# KiCad board dilemma.kicad_pcb (continued)
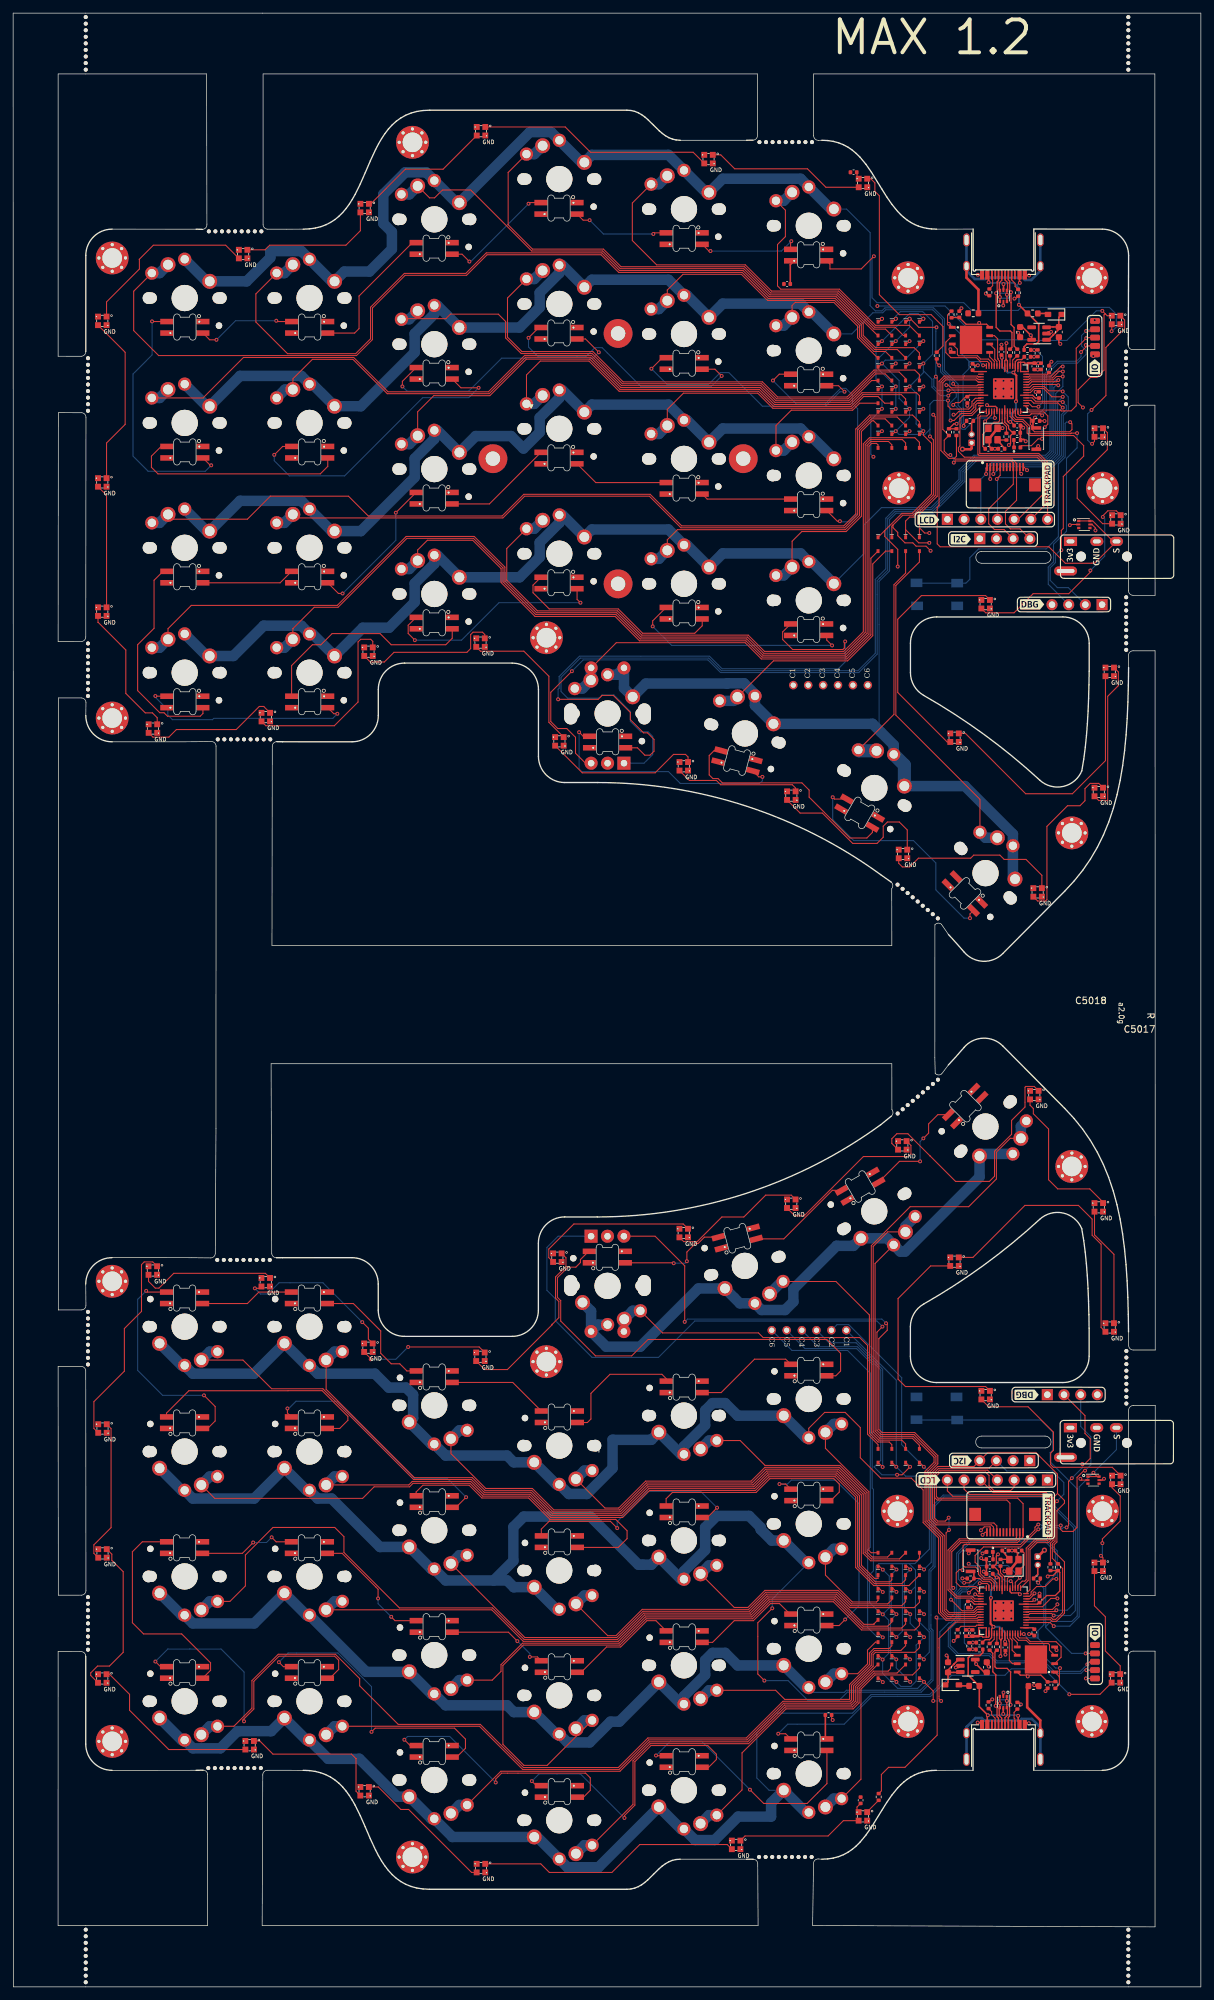
[diagram p0: board, top side]
## Routing (per net, layer and track width the routed paths; a pad name or vN(x,y) marks a point on that pad's centre or on a via; arc(x,y) is an arc through that point) (continued)
GND_L: length 31.2
  Top w0.16: v1(158.82,51.24) 158.53,51.53 U5004.4 ; v1(155.41,45.91) 155.55,45.77 FB5001.1 ; C5018.2 124.59,40.76 v1(124.75,40.6) ; R5012.2 143.77,53.24 v1(143.16,52.63) ; J5007.11 148.73,69.95 148.68,69.99 147.83,69.99 147.32,69.48 v1(147.32,69.47) ; v1(153.39,42.97) 153.07,43.29 R5004.2 ; v1(162.45,77.3) 162.65,77.1 163.53,77.1 ; C5010.2 157.46,45.32 v1(157.14,45) ; R5010.1 146.06,52.35 v1(146.09,52.38) ; 148.86,43.74 R5005.2
  Top w0.2: v1(153.24,59.73) 153.04,59.93 151.94,59.93 151.74,60.14 U5002.19
  Top w0.25: C5005.2 152.56,66.34 152.89,66.01 152.89,65.16 Y5001.2 ; v1(154.64,53.68) 155.14,53.68 155.42,53.45 C5012.2 ; v1(151.04,50.55) 151.04,50.55 C5006.2 ; 153.97,40.18 154.53,40.18 v1(154.61,40.11) ; v1(148.5,48.73) 148.2,49.03 C5002.2 ; 148.16,62.75 148.16,63.84 148.18,63.86 148.16,63.88 148.16,64.93 148.13,64.96 147.63,64.96 v1(147.35,65.24) ; C5003.2 145.52,54.31 v1(145.54,54.33) 145.56,54.31 C5011.2 ; v1(142.08,50.42) 142.3,50.2 C5001.2 ; U5001.2 143.93,48.6 v1(143.49,48.6) ; 156.24,59.51 156.24,59.98 ; v1(145.45,65.96) 145.74,66.24 SW5001.1 ; v1(146.82,40.21) 146.84,40.18 147.47,40.18 ; U5003.2 150.72,44.75
  Top w0.4: Y5001.2 Y5001.4 151.61,63.23 v1(150.89,63.23) ; v1(147.73,63.18) 147.73,63.17 148.16,62.75 ; v2(156.98,66.44) 156.96,66.44 J5002.1 ; v1(152.04,66.38) C5008.2 C5005.2 v1(152.04,66.38)
  vias: v1(145.84,57.73) v1(149.04,43.74) v1(149.54,58.43) v1(149.54,57.23) v1(149.54,56.03) v1(150.74,58.43) v1(150.74,57.23) v1(150.74,56.03) v1(150.75,44.78) v1(151.94,58.43) v1(151.94,57.23) v1(151.94,56.03) v1(156.24,59.83)
VBUS: length 21.4
  Top w0.25: U4.5 150.75,258.21 v1(150.75,259.07) ; v1(153.1,255.92) 153.1,255.91 F1.1 154.47,254.61 156.11,252.97 156.11,250.35 155.73,249.97 154.31,249.97 153.88,249.54 R10.2 ; 153.18,260.42 153.18,259.32 v1(153.24,259.26) ; 148.28,260.42 148.48,260.22 v1(148.48,259.37)
  Bottom w0.25: v1(150.75,259.07) 150.67,259.15 150.67,259.25 ; 152.74,258.84 153.1,258.47 v1(153.1,255.92) ; 152.74,258.84 152.32,259.25 150.67,259.25 ; 152.74,258.84 153.16,259.26 v1(153.24,259.26) ; 150.67,259.25 148.59,259.25
VBUS_L: length 21.2
  Top w0.25: v1(150.71,41.53) 150.71,42.39 U5003.5 ; v1(148.37,41.33) 148.27,41.23 148.27,40.18 ; v1(148.37,41.33) 148.33,41.33 ; v1(148.37,41.33) 148.37,41.34 147.07,42.64 147.07,45.77 F5001.1 147.01,45.79 145.37,47.43 145.37,50.05 145.75,50.43 147.17,50.43 147.6,50.86 R5009.2 ; v1(152.98,41.24) 152.98,40.38 153.17,40.18
  Bottom w0.25: 150.79,41.35 150.79,41.45 v1(150.71,41.53) ; 150.79,41.35 148.39,41.35 v1(148.37,41.33) ; 150.79,41.35 152.86,41.35 v1(152.98,41.24)
/D+: length 19.4
  Top w0.2: 149.98,260.42 149.98,259.61 149.79,259.41 149.79,257.85 v1(149.63,257.69) 149.63,252.5 150.19,251.94 151.8,251.94 152.04,251.7 152.04,249.47 R6.1 ; U4.3 v1(151.27,257.46) U4.4 151.36,258.21 151.36,259.32 150.98,259.7 150.98,260.42
  Bottom w0.2: v1(151.27,257.46) 151.04,257.69 v1(149.63,257.69)
/D+_L: length 19.2
  Top w0.2: 150.47,40.18 150.47,40.9 150.09,41.28 150.09,42.39 U5003.4 v1(150.18,43.15) U5003.3 ; R5006.1 149.44,50.93 149.44,48.7 149.68,48.46 151.29,48.46 151.84,47.91 151.83,47.89 v1(151.83,42.91) 151.67,42.75 151.67,41.19 151.47,40.99 151.47,40.18
  Bottom w0.2: v1(151.83,42.91) 150.42,42.91 v1(150.18,43.15)
/D-: length 18.4
  Top w0.2: 150.48,260.42 150.48,259.65 150.11,259.28 150.11,258.21 U4.6 v1(150.2,257.1) U4.1 ; 151.48,260.42 151.48,259.72 151.69,259.51 151.69,258.04 v1(151.89,257.84) 151.89,256.27 151.9,256.26 151.9,252.92 152.36,252.46 152.36,249.66 R7.1
  Bottom w0.2: v1(151.89,257.84) 151.89,257.33 151.49,256.92 150.37,256.92 v1(150.2,257.1)
/D-_L: length 18.2
  Top w0.2: 150.97,40.18 150.97,40.95 151.34,41.32 151.34,42.39 U5003.6 v1(151.26,43.51) U5003.1 ; 149.97,40.18 149.97,40.88 149.77,41.09 149.77,42.56 v1(149.57,42.76) 149.57,47.47 149.58,47.48 149.12,47.94 149.12,50.74 R5007.1
  Bottom w0.2: v1(151.26,43.51) 151.08,43.68 149.97,43.68 149.57,43.27 v1(149.57,42.76)
/LED: length 12.1
  Top w0.16: 153.33,234.32 153.5,234.49 154.99,234.49 156.02,235.52 v1(156.62,235.52) ; U1.28 153.44,239.63 156.89,239.63 157.5,239.02 157.5,237.77 v1(157.03,237.3)
  Bottom w0.16: v1(156.62,235.52) 156.62,236.89 v1(157.03,237.3)
/LED_L: length 14.4
  Top w0.16: U5002.28 146.78,60.67 146.55,60.9 144.15,60.9 143.55,61.5 143.55,63 144.05,63.5 144.42,63.5 v1(144.51,63.41) ; v1(147.56,65.93) 147.8,66.18 D5001.2
  Bottom w0.16: v1(147.56,65.93) 146.98,66.52 145.04,66.52 144.51,65.99 v1(144.51,63.41)
/MISO: length 28.5
  Top w0.16: 154.18,241.36 154.95,241.36 155.36,240.96 159.06,240.96 159.75,240.28 ; J113.2 148.69,231.19 148.69,229.46 v1(148.73,229.42)
  Bottom w0.16: 159.75,240.28 159.27,239.8 159.27,233.12 157.71,231.56 148.99,231.56 148.6,231.18 148.6,229.55 v1(148.73,229.42)
  vias: v1(159.77,240.28)
/MISO_L: length 23.4
  Top w0.16: U5002.31 146.36,59.03 145.96,59.44 143.66,59.44 142.59,60.51 142.59,66.33 144.13,67.87 152.73,67.87 153.23,68.38 J5007.2
/MOSI: length 36.3
  Top w0.16: J113.5 150.24,229.97 149.73,229.46 ; U1.35 154.82,242.96 155.33,243.48 156.98,243.48 157.62,242.83 159.67,242.83 v1(159.77,242.74)
  Bottom w0.16: 149.73,229.46 149.89,229.62 156.6,229.62 159.84,232.87 159.84,239.08 160.61,239.85 160.61,241.9 v1(159.77,242.74) ; v1(149.73,229.42) 149.83,229.31 J3.4
/MOSI_L: length 55.8
  Top w0.16: J5004.4 148.33,78.6 141,78.6 140.24,77.85 140.24,74.49 ; U5002.35 146.75,57.43 146.24,56.93 142.5,56.93 142.01,57.41 142.01,69.07 v1(142.46,69.52) ; 140.24,74.49 140.66,74.07 151.25,74.07 151.73,73.59 J5007.5 ; 140.24,74.49 140.24,71.36 140.73,70.86 141.88,70.86 v1(142.41,71.39)
  Bottom w0.16: v1(142.46,69.52) 142.46,71.34 v1(142.41,71.39)
/QSPI_D0: length 2.4
  Top w0.16: U2.5 148.64,248.01 149.34,247.31 U1.53
/QSPI_D0_L: length 2.4
  Top w0.16: U5002.53 152.14,53.09 152.84,52.38 U5004.5
/QSPI_D1: length 10.7
  Top w0.16: U1.55 148.54,247.05 148.28,247.31 147.22,247.31 146.66,247.88 142.74,247.88 141.97,248.65 141.97,250.24 U2.2
/QSPI_D1_L: length 10.7
  Top w0.16: U5004.2 159.51,50.16 159.51,51.75 158.74,52.52 154.83,52.52 154.26,53.08 153.2,53.08 152.94,53.35 U5002.55
/QSPI_D2: length 8.2
  Top w0.16: U2.3 143.73,249.18 143.73,248.34 143.91,248.16 146.77,248.16 147.27,247.66 148.44,247.66 148.94,247.16 U1.54
/QSPI_D2_L: length 8.2
  Top w0.16: U5002.54 152.54,53.23 153.04,52.73 154.21,52.73 154.71,52.23 157.57,52.23 157.75,52.05 157.75,51.22 U5004.3
/QSPI_D3: length 5.7
  Top w0.16: U1.51 150.14,247.37 149.91,247.6 149.91,247.76 149.85,247.82 149.85,250.74 149.37,251.22 U2.7
/QSPI_D3_L: length 5.7
  Top w0.16: U5004.7 152.11,49.17 151.63,49.65 151.63,52.58 151.57,52.64 151.57,52.8 151.34,53.03 U5002.51
/QSPI_SCLK: length 3.8
  Top w0.16: U1.52 149.74,247.32 149.42,247.64 149.42,249.18 U2.6
/QSPI_SCLK_L: length 3.8
  Top w0.16: U5002.52 151.74,53.08 152.06,52.76 152.06,51.22 U5004.6
/QSPI_~{CS}: length 25.2
  Top w0.16: 142.23,253.29 142.23,253.22 U2.1 ; 142.23,253.29 142.23,254.36 R9.1 ; 142.23,253.29 142.42,253.1 v1(142.42,253.03) ; v1(147.64,246.71) 148.14,246.71 U1.56 ; R3.2 145.13,238.19 144.68,237.73 v1(144.68,237.49)
  Bottom w0.16: 145.49,246.71 145.49,246.21 144.59,245.31 144.59,240.26 144.68,240.18 v1(144.68,237.49) ; 145.49,246.71 145.49,247.34 144.35,248.48 144.35,251.32 142.64,253.03 v1(142.42,253.03) ; 145.49,246.71 145.49,247.21 145.57,247.29 147.08,247.29 147.64,246.73 v1(147.64,246.71)
/QSPI_~{CS}_L: length 24.3
  Top w0.16: 159.25,47.11 159.25,48.4 v1(159.35,48.5) ; 159.25,47.11 159.25,46.04 R5011.1 ; 159.25,47.11 159.25,47.18 U5004.1 ; v1(156.03,61.49) 156.35,61.81 R5003.2 ; v1(153.84,53.68) 153.34,53.68 U5002.56
  Bottom w0.16: v1(159.35,48.5) 158.69,48.5 156.89,50.3 156.89,52.16 155.99,53.06 155.99,53.68 ; v1(153.84,53.68) 153.84,53.66 154.4,53.1 155.91,53.1 155.99,53.18 155.99,53.68 ; 155.99,53.68 155.99,54.18 156.89,55.08 156.89,60.63 v1(156.03,61.49)
/SCLK: length 36.4
  Top w0.16: 159.79,241.92 158.13,241.92 156.87,243.18 155.44,243.18 154.83,242.56 U1.34 ; v1(148.09,230.18) 148.09,231.09 J113.1
  Bottom w0.16: J3.3 147.29,229.38 v1(148.09,230.18) 148.09,231.07 148.9,231.88 157.62,231.88 158.98,233.24 158.98,241.13 159.77,241.92
  vias: v1(159.77,241.92)
/SCLK_L: length 62.1
  Top w0.16: v1(142.76,58.91) 144.45,57.22 146.12,57.22 146.74,57.83 U5002.34 ; J5004.3 152.36,76.04 151.83,75.5 149.3,75.5 148.55,76.25 148.55,77.8 148.03,78.32 141.11,78.32 140.53,77.73 140.53,74.6 140.78,74.35 152.89,74.35 153.73,73.52 J5007.1 153.73,68.47 152.84,67.59 144.25,67.59 142.87,66.21 142.87,60.94 v1(143.11,60.7)
  Bottom w0.16: v1(143.11,60.7) 142.76,60.34 v1(142.76,58.91)
/SWCLK: length 44
  Top w0.16: U1.24 151.74,238.94 152.51,238.17 153.61,238.17 154.34,237.43 154.34,236.42 154.73,236.03 161.42,236.03 162.95,234.5 162.95,232.9 159.85,229.8 159.85,221.9 159.55,221.6 v1(159.55,218.6)
  Bottom w0.16: v1(159.55,218.6) 159.41,218.6 158.65,217.84 158.65,216.7 157.85,215.9 157.85,214 158.95,212.9 160.61,212.9 J105.3
/SWCLK_L: length 46.8
  Top w0.16: U5002.24 149.74,61.46 148.97,62.23 147.87,62.23 147.23,62.88 147.23,63.8 146.43,64.6 146.43,65.64 147.73,66.94 153.37,66.94 v1(156.05,69.62) ; v1(160.35,69.9) 160.65,70.2 160.65,76.9 v1(161.15,77.4) ; v1(162.75,79.56) 162.65,79.46 162.65,79.34 162.89,79.34 163.95,80.4 163.95,83.4 163.15,84.2 163.15,86.91 J5005.3
  Bottom w0.16: v1(161.15,77.4) 162.75,79 v1(162.75,79.56) ; v1(160.35,69.9) 159.87,69.9 159.66,69.69 159.24,69.69 159.03,69.9 157.91,69.9 157.87,69.86 156.6,69.86 156.42,69.68 156.11,69.68 v1(156.05,69.62)
/SWD: length 41.5
  Top w0.16: v1(161.95,236.4) 161.05,236.4 161.05,236.4 160.96,236.32 154.85,236.32 154.75,236.42 154.75,237.44 153.73,238.46 152.63,238.46 152.14,238.94 U1.25
  Bottom w0.16: v1(161.95,236.4) 161.95,234.16 160.34,232.55 160.34,221.47 158.36,219.49 158.36,216.82 157.56,216.02 157.56,213.41 J105.2
/SWD_L: length 51.8
  Top w0.16: v1(163.16,78.54) 162.97,78.54 161.94,77.51 161.94,69.9 161.34,69.3 159.75,69.3 159.45,69.6 v1(159.45,70.2) ; U5002.25 149.34,61.46 148.85,61.94 147.75,61.94 147.14,62.55 146.94,62.76 146.94,63.45 146.52,63.87 144.88,63.87 144.59,64.16 144.59,67.11 144.78,67.3 153.32,67.3 155.54,69.52 155.54,69.93 155.95,70.34 v1(156.05,70.34)
  Bottom w0.16: v1(159.45,70.2) 157.8,70.2 157.75,70.15 156.61,70.15 156.41,70.34 v1(156.05,70.34) ; J5005.2 162.5,85.25 164.05,83.7 164.05,79.44 v1(163.16,78.54)
/~{RESET_L}: length 107.6
  Top w0.16: U5002.26 148.94,61.35 148.64,61.66 147.59,61.66 147.12,62.13 R5002.1 145.59,61.48 v1(144.76,61.48) ; J5008.4 v1(163.25,50.73)
  Top w0.25: R5002.1 146.25,63.17 146.21,63.21 SW5001.2
  Bottom w0.16: J5008.4 v1(163.25,50.73) 161.12,50.73 157.17,54.68 157.17,54.82 ; 157.17,54.82 157.94,55.59 161.14,55.59 161.98,56.43 161.98,75.74 157.84,79.88 157.84,81.27 158.23,81.66 158.23,84.43 156.41,86.25 SW5021.1 137.55,86.25 SW5021.1 ; 157.17,54.82 157.17,61.22 158.65,62.7 158.65,66.2 157.13,67.72 145.78,67.72 143.9,65.85 143.9,62.02 144.45,61.48 v1(144.76,61.48)
/~{RESET}: length 79.2
  Top w0.16: v1(162.55,248.74) 163.28,249.47 v1(163.28,249.8) 163.41,249.66 J4.4 ; v1(160.9,238.07) 161.17,237.8 161.17,236.93 160.84,236.6 155.47,236.6 155.04,237.04 155.04,237.55 154.83,237.76 154.83,238.67 154.79,238.71 ; 154.79,238.71 154.76,238.74 152.85,238.74 152.54,239.04 U1.26 ; 154.79,238.71 R2.1 155.54,238.57 v1(155.54,238.76)
  Top w0.25: SW1.2 155.27,237.19 155.23,237.22 R2.1
  Bottom w0.16: v1(160.9,238.07) 160.32,238.07 160.13,237.88 160.13,232.75 159.1,231.72 159.1,220.64 157.24,218.78 146.96,218.78 145.63,217.45 145.63,214.18 145.03,213.57 SW5022.1 137.55,213.57 SW5022.1 ; v1(163.28,249.8) 163.43,249.65 J5010.4 ; v1(162.55,248.74) 162.55,248.02 161.86,247.33 158.93,247.33 156.98,245.38 156.98,240.2 v1(155.54,238.76)
ENC_PIN1: length 135.9
  Top w0.16: 159.18,243.68 159.06,243.8 155.16,243.8 154.72,243.36 154.18,243.36 ; SW3002.B 87.12,186.18 85.6,187.7 85.6,190.12 84.28,191.45 82.91,191.45 81.84,192.52 81.84,196.96 v1(85.05,200.17)
  Bottom w0.16: 159.18,243.68 158.74,243.68 158.41,243.35 158.41,233.48 157.38,232.45 146.46,232.45 144.57,230.56 144.57,229.15 139.92,224.5 134.27,224.5 133.12,223.34 133.12,215.56 131.93,214.37 131.92,214.37 131.52,213.96 131.52,202.77 128.72,199.97 107.68,199.97 105.76,201.89 86.76,201.89 v1(85.05,200.17)
  vias: v1(159.09,243.68)
ENC_PIN1_L: length 109.2
  Top w0.16: v1(102.22,101.17) 102.22,109.7 97.72,114.21 SW5020.B ; v1(132.87,100.96) 133.05,100.78 133.05,99.9 131.77,98.62 131.77,84.81 132.25,84.33 137.23,84.33 140.75,80.82 140.75,79.57 139.38,78.2 139.38,71 141.73,68.65 141.73,57.27 142.36,56.64 146.36,56.64 146.75,57.03 U5002.36
  Bottom w0.16: v1(102.22,101.17) 102.65,101.6 132.23,101.6 v1(132.87,100.96)
ENC_PIN2: length 147.1
  Top w0.16: v1(159.09,244.47) 158.84,244.22 155.05,244.22 154.6,243.76 154.18,243.76
  Bottom w0.16: SW3002.A 96.03,186.18 97.35,187.5 97.35,190.25 96.65,190.95 95.55,190.95 93.95,192.55 93.95,194.05 91.45,196.55 89.65,196.55 89.18,196.07 84.4,196.07 83.4,197.07 83.4,199.24 86.33,202.17 105.88,202.17 107.79,200.26 128.6,200.26 131.23,202.89 131.23,214.15 132.83,215.75 132.83,223.46 134.15,224.78 139.8,224.78 144.26,229.24 144.26,230.65 146.36,232.75 157.28,232.75 158.12,233.59 158.12,243.9 158.69,244.47 v1(159.09,244.47)
ENC_PIN2_L: length 132
  Top w0.16: U5002.37 146.76,56.63 146.48,56.36 142.24,56.36 141.44,57.16 141.44,68.54 139.09,70.88 139.09,78.32 140.46,79.69 140.46,80.7 137.11,84.05 132.13,84.05 131.49,84.69 131.49,99.61 v1(132.32,100.45)
  Bottom w0.16: v1(132.32,100.45) 131.46,101.31 103.76,101.31 98.22,95.77 88.12,95.77 82.53,101.38 82.53,104.7 81.25,105.97 81.25,112.5 82.96,114.21 SW5020.A
encoder_diode: length 64.8
  Top w0.16: SW3002.S1 91.81,204.51 111.42,204.51 113.89,202.04 126.89,202.04 130.56,205.7 130.56,217.36 D5082.2
  Bottom w1.6: SW3001.2 86.67,197.54 SW3001.2 87.95,200.65 SW3002.S1
encoder_diode_L: length 58
  Top w0.16: SW5013.2 98.84,99.5 113.45,99.5 114.16,98.79 128.86,98.79 130.05,97.6 130.05,84.1 131.65,82.5 D5088.2
  Bottom w1.6: SW5013.2 94.3,102.86 SW5013.2 92.97,101.53 SW5020.S1
HAND: length 3.6
  Top w0.16: R101.1 157.44,245.36 154.18,245.36
HAND_L: length 3.8
  Top w0.16: R5012.1 144.28,54.85 146.5,54.85 146.68,55.03 U5002.41
IO16: length 25.2
  Top w0.16: U1.27 152.94,239.33 153.19,239.08 154.72,239.08 154.98,239.34 156.39,239.34 v1(156.63,239.1) ; v1(163.33,251.94) 164.42,251.94 J4.2
  Bottom w0.16: v1(156.63,239.1) 157.26,239.73 157.26,245.26 159.05,247.04 161.98,247.04 163.33,248.39 163.33,248.96 162.64,249.65 162.64,251.25 v1(163.33,251.94) 163.58,252.19 J5010.2
IO16_L: length 40.1
  Top w0.16: v1(163.36,48.19) J5008.2 ; U5002.27 148.54,61.11 148.28,61.37 147.17,61.37 v1(147.13,61.41)
  Bottom w0.16: J5008.2 164.67,48.19 v1(163.36,48.19) 163.04,48.19 162.56,47.71 158.34,47.71 156.75,49.3 149.65,49.3 148.55,50.4 143.75,50.4 142.35,51.8 142.35,54.61 143.84,56.1 143.84,59.87 144.35,60.39 145.2,60.39 145.64,60.83 146.55,60.83 v1(147.13,61.41)
IO18: length 22.1
  Top w0.16: J4.3 163.43,250.94 v1(163.34,250.84) 161.82,249.32 161.82,240.56 161.05,239.79 159.97,239.79 159.96,239.77 159.54,239.77 159.4,239.91 154.67,239.91 154.18,240.4 U1.29
  Bottom w0.16: J5010.3 163.42,250.92 v1(163.34,250.84)
IO18_L: length 38
  Top w0.16: v1(163.5,49.05) 163.91,49.46 J5008.3 ; U5002.29 147.22,59.83 146.85,60.2 146.84,60.2 146.43,60.61 146.13,60.61 v1(145.47,59.96)
  Bottom w0.16: J5008.3 163.91,49.46 v1(163.5,49.05) 162.44,47.99 158.46,47.99 156.87,49.59 149.77,49.59 148.67,50.69 143.87,50.69 142.64,51.92 142.64,54.49 144.12,55.98 144.12,59.76 144.47,60.1 145.34,60.1 v1(145.47,59.96)
M_COL1: length 110.8
  Top w0.16: 138.1,249.95 v1(138.55,250.4) ; 147.31,241.76 147.24,241.7 146.45,241.7 145.95,241.2 145.95,240.55 145.45,240.06 142.75,240.06 142.3,240.5 v1(142.3,241.37) ; v1(139.55,235.9) 140.08,235.37 140.08,227.02 136.97,223.91 135.42,223.91 133.93,222.42 ; 133.93,222.42 133.93,222.02 134.65,221.3 134.65,220.81 135.75,219.7 136.95,219.7 137.45,219.2 138.95,219.2 v1(139.65,218.5) ; 133.93,222.42 133.75,222.24 D5070.1 ; 136,239.65 v1(136.45,240.1) ; 133.9,236.25 v1(134.35,236.7) ; 131.8,246.55 v1(132.25,247)
  In2.Cu w0.16: J5006.1 121.08,195.72 131.2,195.72 133.45,197.98 133.45,212.7 139.25,218.5 v1(139.65,218.5)
  Bottom w0.16: v1(142.3,241.37) 140.12,241.37 139.55,240.8 139.55,236.98 ; 139.55,236.98 138.76,236.19 134.86,236.19 v1(134.35,236.7) 136.45,238.8 v1(136.45,240.1) 134.86,241.69 134.86,244.39 v1(132.25,247) 132.76,247.51 135.66,247.51 v1(138.55,250.4) ; 139.55,236.98 v1(139.55,235.9)
M_COL1_L: length 112.4
  Top w0.16: 131.82,60.62 v1(132.38,60.07) ; 136,60.65 v1(136.55,60.1) ; 133.9,53.75 v1(134.45,53.2) ; 138.07,50.38 v1(138.62,49.82) ; U5002.11 155.18,58.63 v1(155.45,58.9) ; 133.88,79.67 v1(134.43,79.12)
  In2.Cu w0.16: v1(138.62,49.82) 140.1,51.3 142.65,51.3 143.1,50.85 150.11,50.85 151.36,52.1 154.95,52.1 155.45,52.6 v1(155.45,58.9)
  Bottom w0.16: 136.37,64.4 137.35,63.42 137.35,61.2 ; 136.37,64.4 137.26,64.4 139.46,66.6 139.46,76.19 137.95,77.7 135.85,77.7 v1(134.43,79.12) 134.43,92.29 J5016.1 ; 136.37,64.4 135.35,64.4 ; 135.35,64.4 135.36,64.39 135.36,54.11 v1(134.45,53.2) ; 135.35,64.4 131.75,64.4 131.35,64 131.35,61.1 v1(132.38,60.07) ; 137.35,61.2 137.35,56.1 139.45,54 139.45,50.9 138.62,50.07 v1(138.62,49.82) ; 137.35,61.2 137.35,60.9 v1(136.55,60.1)
M_COL2: length 106.1
  Top w0.16: v1(143.15,239.2) 143.45,239.2 143.95,239.7 145.65,239.7 146.24,240.29 146.24,240.89 146.72,241.36 147.31,241.36 ; D5074.1 135.85,221.7 ; 135.85,221.7 137.85,219.7 v1(139.45,219.7) ; 135.85,221.7 135.85,223.03 136.45,223.63 137.09,223.63 140.36,226.9 140.36,238.89 v1(140.06,239.2) ; 138.1,243.05 v1(138.55,243.5) ; D5092.1 131.8,253.35 ; 131.8,253.35 v1(132.25,253.8) 131.8,253.35 ; 131.8,236.25 v1(132.25,236.7) ; 136,246.55 v1(136.45,247)
  In2.Cu w0.16: 139.65,238.8 139.65,242.4 v1(138.55,243.5) 136.45,245.6 v1(136.45,247) 137.65,248.2 137.65,250.4 134.76,253.29 132.76,253.29 v1(132.25,253.8) ; 139.65,238.8 139.65,237.08 138.47,235.9 133.05,235.9 v1(132.25,236.7) ; 139.65,238.8 140.05,239.2 v1(143.15,239.2) ; v1(139.45,219.7) 139.45,219.5 133.15,213.2 133.15,198.09 131.08,196.01 123.06,196.01 J5011.1
M_COL2_L: length 92.4
  Top w0.16: 138.1,57.25 v1(138.65,56.7) ; 131.82,46.92 v1(132.38,46.38) ; 138.07,79.67 v1(138.62,79.12) ; U5002.12 154.72,59.03 155.24,59.55 155.24,59.64 v1(155.46,59.87) ; 136,53.75 v1(136.55,53.2) ; 138.1,64.05 v1(138.65,63.5)
  In2.Cu w0.16: v1(155.46,59.87) 154.97,59.87 154.34,60.49 154.34,62.11 152.15,64.3 146.34,64.3 145.73,64.91 139.46,64.91 138.65,64.1 v1(138.65,63.5) 139.16,62.99 139.16,57.21 v1(138.65,56.7) 138.65,55.3 v1(136.55,53.2) 132.38,49.02 v1(132.38,46.38)
  Bottom w0.16: v1(138.65,63.5) 139.75,64.6 139.75,78 v1(138.62,79.12) 135.25,82.5 135.25,92.68 127.18,100.76 125.41,100.76 J5017.1
M_COL3: length 97.4
  Top w0.16: 138.1,236.25 v1(138.55,236.7) 138.55,236.1 139.79,234.86 139.79,227.14 136.85,224.2 135.3,224.2 132.68,221.57 ; 133.9,253.35 v1(134.35,253.8) 133.9,253.35 ; 133.9,253.35 D5093.1 ; 132.68,221.57 132.68,220.68 134.65,218.71 v1(134.65,216.1) ; 132.68,221.57 D5082.1 ; 138.1,246.55 v1(138.55,247) ; v1(142.35,242.1) 142.81,242.56 U1.9 ; 136,243.05 v1(136.45,243.5)
  In2.Cu w0.16: J5012.1 125.04,196.3 130.96,196.3 132.65,197.99 132.65,214.1 v1(134.65,216.1)
  Bottom w0.16: v1(134.35,253.8) 134.35,254.18 135.05,254.88 138.46,254.88 139.95,253.39 139.95,248.4 v1(138.55,247) 138.55,245.9 ; 138.55,245.9 139.85,244.6 139.85,243.4 141.15,242.1 v1(142.35,242.1) ; 138.55,245.9 138.55,245.6 v1(136.45,243.5) 137.45,242.5 137.45,237.8 v1(138.55,236.7)
M_COL3_L: length 113.7
  Top w0.16: 138.1,53.75 v1(138.65,53.2) ; 133.9,46.95 v1(134.45,46.4) ; 136,64.05 v1(136.55,63.5) ; v1(158.95,59.1) 157.95,59.1 156.68,57.83 U5002.9 ; 136,57.25 v1(136.55,56.7) ; 131.8,79.65 v1(132.35,79.1)
  In2.Cu w0.16: v1(138.65,53.2) 139.15,52.7 139.15,51.8 138.12,50.77 138.12,49.61 138.63,49.1 140.35,49.1 141.05,49.8 153.06,49.8 156.35,53.09 156.35,56.5 v1(158.95,59.1) ; v1(132.35,79.1) 131.9,78.65 131.9,75.45 130.45,74 130.45,64.6 132.95,62.1 135.15,62.1 v1(136.55,63.5)
  Bottom w0.16: v1(134.45,46.4) 135.15,45.7 136.65,45.7 137.45,46.5 137.45,52 v1(138.65,53.2) 136.55,55.3 v1(136.55,56.7) 135.65,57.6 135.65,62.6 v1(136.55,63.5) ; v1(132.35,79.1) 132.35,93.96 128.31,98 124.18,98 J5018.1
M_COL4: length 103.3
  Top w0.16: D5094.1 136,253.35 ; 136,253.35 v1(136.45,253.8) ; 136,253.35 v1(136.45,253.8) ; v1(136.45,253.8) 136.56,253.8 137.86,252.5 v1(140.55,252.5) ; v1(142.35,242.9) 142.41,242.96 U1.8 ; 137.95,222 138.75,221.2 v1(139.45,221.2) ; 137.95,222 D5015.1 ; 137.95,222 137.95,224.08 140.65,226.78 140.65,244.8 v1(140.45,245) ; 133.9,243.05 v1(134.35,243.5) ; 133.9,249.95 v1(134.35,250.4) ; 133.9,239.65 v1(134.35,240.1)
  In2.Cu w0.16: v1(139.45,221.2) 138.85,221.2 132.15,214.5 132.15,197.9 130.85,196.6 127.01,196.6 J5013.1
  Bottom w0.16: v1(136.45,253.8) 136.45,252.5 v1(134.35,250.4) 131.64,247.69 131.64,246.2 134.34,243.5 v1(134.35,243.5) v1(134.35,240.1) ; v1(140.55,252.5) 140.45,252.4 v1(140.45,245) 140.14,244.69 140.14,243.52 140.76,242.9 v1(142.35,242.9)
M_COL4_L: length 112.5
  Top w0.16: 133.9,64.05 v1(134.45,63.5) ; 133.88,50.38 v1(134.43,49.82) ; 135.97,79.67 v1(136.53,79.12) 135.31,77.91 v1(134.55,77.91) ; 133.9,57.25 v1(134.45,56.7) ; U5002.8 158.21,57.43 158.98,58.2 v1(158.95,58.2) ; 136,46.95 v1(136.55,46.4)
  In2.Cu w0.16: v1(158.95,58.2) 159.46,58.71 159.46,59.31 154.07,64.7 146.35,64.7 145.85,65.2 138.75,65.2 138.25,64.7 135.65,64.7 v1(134.45,63.5) 138.85,67.9 138.85,76.8 v1(136.53,79.12)
  Bottom w0.16: J5019.1 122.55,97.4 128.51,97.4 132.06,93.84 132.06,80.11 131.05,79.1 132.24,77.91 v1(134.55,77.91) ; v1(136.55,46.4) 134.43,48.52 v1(134.43,49.82) 133.55,50.7 133.55,55.8 v1(134.45,56.7) 133.65,57.5 133.65,62.7 v1(134.45,63.5)
M_COL5: length 98.5
  Top w0.16: 131.8,243.05 v1(132.25,243.5) ; 131.8,249.95 v1(132.25,250.4) ; 138.1,253.35 v1(138.55,253.8) 138.1,253.35 ; 138.1,253.35 D5095.1 ; 131.8,239.65 v1(132.25,240.1) ; 159.78,246.54 159.48,246.54 158.02,245.08 154.7,245.08 154.58,244.96 U1.40
  In2.Cu w0.16: v1(159.77,246.54) 159.77,247.08 157.05,249.8 153.05,249.8 152.15,248.9 145.45,248.9 140.55,253.8 v1(138.55,253.8) ; J5014.1 127.83,199.22 129.81,201.2 129.81,231.66 v1(130.95,232.8)
  Bottom w0.16: v1(138.55,253.8) 137.75,254.6 136.45,254.6 135.2,253.35 135.2,253.35 v1(132.25,250.4) 131.35,249.5 131.35,244.4 v1(132.25,243.5) v1(132.25,240.1) 130.55,238.4 130.55,233.2 v1(130.95,232.8)
M_COL5_L: length 104.5
  Top w0.16: U5002.40 146.89,55.43 146.83,55.49 143.44,55.49 140.94,52.99 140.94,43.81 v1(141.25,43.5) ; v1(132.35,49.8) 131.8,50.35 D5012.1 ; v1(140.05,43.5) 140.05,45 v1(138.65,46.4) 138.1,46.95 ; 131.82,57.22 v1(132.38,56.67) ; 131.82,64.02 v1(132.38,63.47)
  Bottom w0.16: v1(141.25,43.5) v1(140.05,43.5) ; v1(132.38,63.47) 133.36,62.49 133.36,57.66 v1(132.38,56.67) ; v1(138.65,46.4) 137.66,45.41 134.64,45.41 132.35,47.7 v1(132.35,49.8) 133.26,50.71 133.26,55.79 v1(132.38,56.67) ; v1(132.38,56.67) 132.18,56.67 130.35,58.5 130.35,62.7 130.95,63.3 130.95,75.7 130.76,75.89 130.76,94.74 128.39,97.11 120.53,97.11 J5020.1
M_COL6: length 86.7
  Top w0.16: v1(147.95,238.19) 148.94,239.19 U1.17 ; 138.1,239.65 v1(138.55,240.1) ; 133.9,246.55 v1(134.35,247) ; 136,236.25 v1(136.45,236.7) ; 136,249.95 v1(136.45,250.4)
  In2.Cu w0.16: 134.75,235.39 139.76,235.39 141.35,236.98 146.74,236.98 v1(147.95,238.19) ; 134.75,235.39 134.54,235.39 130.1,230.95 J5015.1 ; 134.75,235.39 132.16,235.39 131.35,236.2 131.35,237.3 131.75,237.7 137.45,237.7 137.6,237.85 ; 137.6,237.85 138.55,238.8 v1(138.55,240.1) 135.25,243.4 135.25,246.1 v1(134.35,247) 136.45,249.1 v1(136.45,250.4) ; 137.6,237.85 v1(136.45,236.7)
M_COL6_L: length 122.1
  Top w0.16: v1(153.25,62.26) 152.54,61.54 U5002.17 ; 133.9,60.65 v1(134.45,60.1) ; 138.1,60.65 v1(138.65,60.1) ; 135.97,50.38 v1(136.53,49.82) ; 131.82,53.72 v1(132.38,53.17)
  In2.Cu w0.16: v1(138.65,60.1) 138.14,59.59 136.85,59.59 ; 136.85,59.59 136.84,59.59 136.05,58.8 136.05,56.85 v1(132.38,53.17) 131.84,52.64 131.84,45.91 132.45,45.3 134.07,45.3 136.53,47.76 v1(136.53,49.82) 136.53,52.17 137.35,53 137.35,53.59 140.05,56.29 140.05,62.9 141.52,64.37 v1(145.45,64.37) ; 136.85,59.59 134.96,59.59 v1(134.45,60.1)
  Bottom w0.16: v1(145.45,64.37) 145.72,64.1 151.41,64.1 v1(153.25,62.26) ; v1(132.38,53.17) 131.57,53.17 130.06,54.69 130.06,66.49 130.47,66.9 130.47,93.38 127.03,96.82 118.55,96.82 J5021.1
M_ROW1: length 168.2
  Top w0.16: U1.38 154.59,244.16 154.93,244.51 158.3,244.51 158.81,245.02 159.78,245.02
  Bottom w0.16: 159.78,245.02 159.78,243.5 158.7,242.42 158.7,233.36 157.5,232.16 146.58,232.16 144.86,230.44 144.86,229.03 140.04,224.21 134.39,224.21 133.41,223.23 133.41,215.44 131.81,213.84 131.81,191.18 132.07,190.92
  Bottom w1.6: SW119.1 134.04,188.95 130.82,192.17 SW118.1 112.92,194.98 SW118.1 112.92,196.67 111.25,198.34 108.73,198.34 108.69,198.3 96.32,198.3 SW3001.1 92.98,197.6 SW3002.S2 91.94,199.64 SW3001.1 ; SW5041.1 152.18,168.87 SW5041.1 152.18,175.39 144.87,182.7 SW119.1